# Altium PCB iMX6 Rex Development Baseboard V1I1_PCB.PcbDoc (part 3 of 6) (continued)
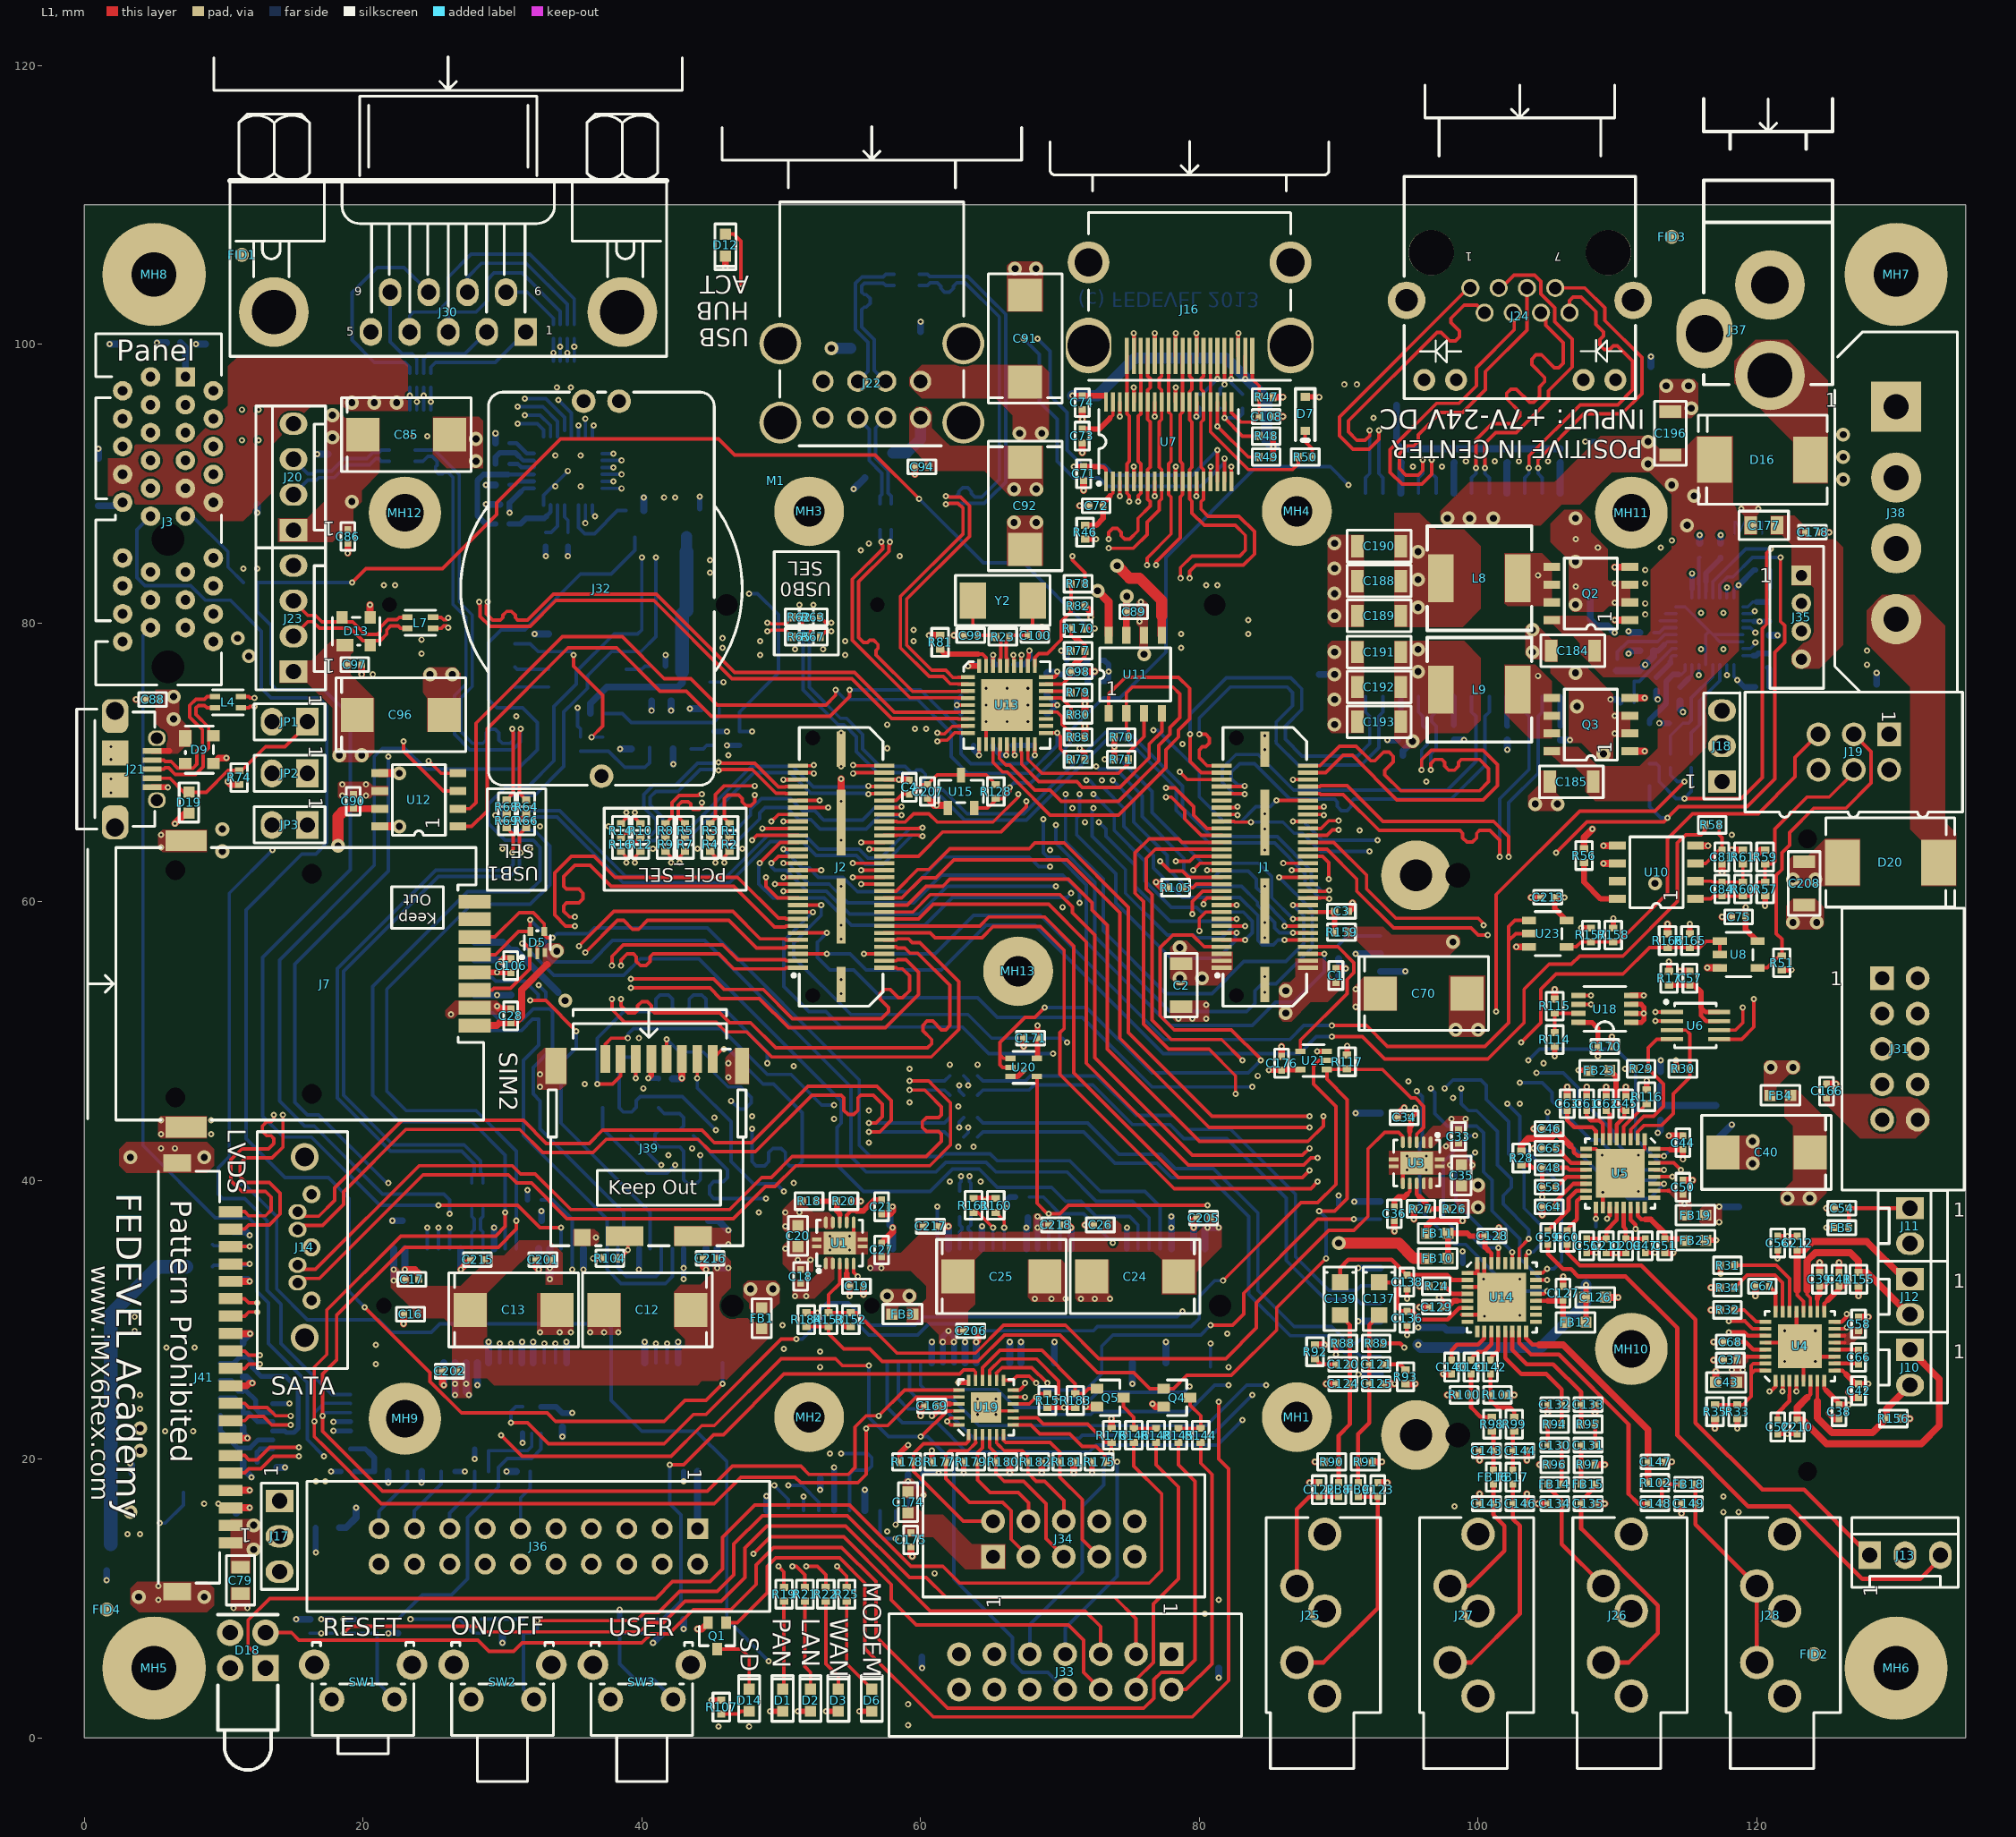
[diagram p0: L1 view]
## Nets (pads, with @x,y where several pads share a name; then routed paths per layer and width w, separated by ;. In a path a pad name is that pad's centre, name@x,y a point inside that pad or via, vN(x,y) a via of type N, cw(c..) or ccw(c..) an arc to the next point about the centre after c; other vN are vias at no path point) (continued)
  L6 w0.23: U22.8@114.2,81.15 114.85,81.15 U22.33@116.6,79.4 ; U22.29@116.35,77 116.35,79.15 U22.33@116.6,79.4 ; U22.22@119,78.65 117.35,78.65 U22.33@116.85,79.15 ; U22.21@119,79.15 U22.33@116.85,79.15 ; U22.33@116.6,79.4 U22.33@116.85,79.15
  L6 w0.25: v1(32.6,54) 33.1,53.5 D4.2@33.1,53.125 ; U16.24@32.95,88.45 32.95,89.15 v1(34.7,90.9)
  L6 w0.35: U2.6@13.5,23.975 v1(14.725,23.975) ; v1(17.875,22.025) U2.14@19.1,22.025 ; v1(17.875,22.675) U2.13@19.1,22.675
  L6 w0.4: v1(31.45,21.15) U24.3@31.45,21.85
  L6 w0.5: C6.2@1,91.8 v1(1,92.5) ; v1(1.6,11.3) C78.2@1.6,12 ; v1(1.8,100) C8.2@2.5,100 ; v1(3.298,19.7) 3.4,19.598 C80.2@3.4,19 ; v1(5.2,100.1) R6.2@5.9,100.1 ; v1(8,100) C9.2@8.7,100 ; R55.1@10.7,32.9 11.7,32.9 v1(11.85,32.75) ; R54.1@10.7,36.3 11.6,36.3 v1(11.85,36.05) ; C77.2@10.9,16.1 11.3,16.5 v1(11.85,16.5) ; C152.2@11.4,19.8 11.4,19.3 v1(12,18.7) ; C154.2@11.4,22.3 11.4,21.8 v1(11.7,21.5) ; C155.2@11.4,25.9 11.6,25.9 v1(12.05,25.45) ; C153.2@11.4,28.3 11.4,28.5 v1(11.9,29) ; v1(12.4,87.9) C10.2@12.4,88.5 ; C151.2@13.8,19.4 v1(14.4,19.4) ; v1(15.2,8.5) R168.1@16.2,8.5 ; v1(16.7,92.1) D8.3@17.5,92.1 ; v1(21.8,7.5) C198.2@22.5,7.5 ; v1(21.8,18.3) R186.1@21.8,19.1 ; v1(22.1,37.1) C204.2@22.8,37.1 ; v1(23,33.6) J4.50@23,35.1 ; v1(24.2,18.3) R122.1@24.2,19.1 ; v1(25.8,25.3) J4.43@25.8,26.9 ; v1(27,33.6) J4.40@27,35.1 ; J5.C5@28,55.82 29.78,55.82 v1(29.9,55.7) 30.1,55.5 C22.2@30.6,55.5 ; v1(28.2,25.3) J4.37@28.2,26.9 ; v1(28.8,88.5) C163.2@29.5,88.5 29.8,88.5 ; v1(28.8,89.9) C159.2@29.5,89.9 ; J4.35@29,26.9 v1(29,28.4) ; J4.34@29.4,35.1 v1(29.4,36.6) ; C161.2@29.5,92.9 v1(29.5,93.6) ; v1(29.6,52.5) 29.8,52.3 C23.2@30.6,52.3 ; v1(30,6.8) C199.2@30,7.5 ; v1(30.3,19.1) R121.1@31,19.1 ; J4.29@31.4,26.9 v1(31.4,28.4) ; J4.27@32.2,26.9 v1(32.2,28.4) ; v1(32.305,79.205) U17.4@33.3,79.205 ; v1(32.6,33.6) J4.26@32.6,35.1 ; C203.2@32.8,37.1 v1(32.8,37.8) ; v1(34.3,21.6) C214.2@34.3,22.3 ; J4.21@34.6,26.9 v1(34.6,28.4) ; v1(35.8,33.6) J4.18@35.8,35.1 ; v1(38.45,70.95) Q9.2@39.25,70.95 ; Q6.2@40.15,88.05 v1(40.15,89) ; J4.15@40.2,26.9 v1(40.2,28.4) ; v1(40.7,73.7) C167.2@40.7,74.4 ; v1(40.8,6.8) C200.2@41.5,7.5 ; v1(42.1,73.7) C168.2@42.1,74.4 ; C157.2@42.2,47.3 42.85,47.3 v1(42.875,47.325) ; v1(42.25,69.85) Q8.2@42.25,70.95 ; J4.9@42.6,26.9 v1(42.6,28.4) ; v1(43,7.8) C156.2@43,8.5 ; v1(43.45,73.85) Q7.2@44.25,73.85 ; v1(44.6,33.6) J4.4@44.6,35.1 ; C14.2@44.8,37.1 45.5,37.1 v1(46.2,36.4) ; J29.14@48.95,16.3 v1(48.95,17.35) ; v1(52.8,17.8) C158.2@52.8,18.6 ; v1(55.2,89.6) D11.3@56,90.4 ; J29.6@56,16.3 v1(56,17.8) ; J9.50@58,35.1 v1(58,36.6) 57.8,36.8 C29.2@57.8,37.3 57.8,37.9 v1(58,38.1) ; v1(59.1,18.4) R106.1@59.1,18.9 ; C93.2@60,100.9 v1(60,101.6) ; v1(60.1,5) J29.11@60.1,5.8 ; J9.43@60.8,26.9 v1(60.8,28.4) ; J9.40@62,35.1 v1(62,36.7) ; J9.37@63.2,26.9 v1(63.2,28.4) ; J9.35@64,26.9 v1(64,28.4) ; J9.34@64.4,35.1 v1(64.4,36.7) ; J9.29@66.4,26.9 v1(66.4,28.4) ; J9.27@67.2,26.9 v1(67.2,28.4) ; J9.26@67.6,35.1 v1(67.6,36.6) 67.7,36.7 C31.2@67.7,37.3 ; J9.21@69.6,26.9 v1(69.6,28.4) ; J9.18@70.8,35.1 v1(70.8,36.6) ; C95.2@72,75.8 72,76 v1(72.5,76.5) ; v1(75.2,25.4) J9.15@75.2,26.9 ; J9.9@77.6,26.9 v1@77.6,28.375 ; J9.4@79.6,35.1 v1(79.6,36.6) 79.8,36.8 C30.2@79.8,37.3 ; v1(79.8,94.8) 79.9,94.9 R162.2@79.9,95.4 ; v1(81.4,4.3) C173.2@81.4,5 ; TP10.1@88.6,76.3 v2(89.7,76.3) ; C69.2@90,54.5 90,54.7 v1(90.5,55.2) 90,55.7 R45.1@90,55.9 ; v1(91.115,38.475) J15.PC2@93,38.475 ; v1(91.215,44.825) J15.PC7@93,44.825 ; v1(91.215,56.255) J15.PC16@93,56.255 ; v1(91.4,29.9) 91.415,29.885 J15.S4@93,29.885 ; v1(91.4,33.7) 91.405,33.695 J15.S7@93,33.695 ; v1(91.425,26.075) J15.S1@93,26.075 ; J15.PC15@93,54.985 v1(94.785,54.985) ; v1(93.5,71.6) C118.1@94.2,71.6 ; C117.1@98.3,71.6 v1(99,71.6) ; v1(102.1,70.9) C116.1@102.1,71.6 ; C114.1@105.9,71.6 v1(106.6,71.6) ; v1(109.5,74.5) 110,74.5 R139.1@110.2,74.3 ; v1(110.8,77.8) 111,78 C182.2@111.6,78 ; v1(110.8,79.4) 110.9,79.3 C194.2@111.6,79.3 ; C115.2@112.4,98.4 v1(112.4,99.1) ; C195.2@112.8,75.1 112.8,74.6 v1(112.9,74.5) ; v1(112.9,43.4) 113.1,43.6 C49.2@113.1,44.3 ; R131.2@114.5,74.4 114.5,73.8 v1(114.7,73.6) ; R130.1@115.9,85.7 v1(115.9,86.3) ; Y1.2@117.05,42.83 v1@118.21,43.99 ; R132.1@117.4,85.7 v1(117.4,86.3) ; C181.2@120.9,79.1 v1(121.5,79.1) ; C83.2@128.6,75.6 v1(128.6,76.4)
  L6 w0.8: v2(53.6,99.7) D10.3@55,99.7
  other v1: 45.5,0.8 47.7,0.8 59.1,0.9 59.1,2.4 80.4,8.9 10.7,9.3 11.7,9.3 5.3,9.9 81.4,9.9 5.3,10.9 61,11.8 3.1,14.6 4,14.6 57.6,14.8 117.6,16.2 118.7,16.2 98.3,16.6 8.6,16.8 9.6,16.8 117.6,17.3 60.2,17.4 16.6,18.4 17.3,18.4 53.5,20.4 5.8,22 7.8,22 64.1,23.2 65.4,23.2 4,23.6 64.1,24.3 65.4,24.3 4,24.6 52.8,26.6 82.1,26.6 20.9,26.8 122,27 124.2,27 52.8,27.7 50.2,27.9 5.9,28 7.9,28 20.9,28.2 77.6,28.4 82,29 32.7,29.1 34.1,29.1 34.9,29.1 36.3,29.1 37.3,29.1 38.3,29.1 3.6,29.2 122,29.2 124.2,29.2 50.1,29.6 3.6,30.2 100.45,30.25 103,30.3 68.2,31.5 69.4,31.5 70.4,31.5 71.5,31.5 72.5,31.5 73.6,31.5 100.4,32.9 103,32.9 106.1,33.1 51.2,34.3 52.1,34.3 36.5,34.4 53.5,35 54.9,35 50.3,35.1 46.2,35.4 36.7,35.9 53.5,36 54.9,36 48.4,37.7 108.95,39.15 111.5,39.2 50.9,39.8 62.1,39.9 64.3,39.9 94.9,40.75 96.3,40.75 98,41.1 99.6,41.1 94.9,41.75 96.3,41.75 41.9,41.8 108.9,41.8 111.5,41.8 5.5,42.3 6.5,42.3 43.6,42.3 62.7,42.4 63.8,42.4 97.7,42.45 56.3,42.7 5.5,43.3 9.1,43.3 118.2,44 5.5,44.3 9.1,44.3 53.8,44.4 45.2,44.5 47.9,44.6 56.3,45 62.7,45.3 103,45.5 59.2,45.6 98.2,45.9 40.1,46.6 32.7,46.7 35.9,46.9 95,47.1 46.2,47.4 84.2,47.5 32.7,47.6 59.2,48 50.9,48.2 62.1,48.3 64.1,48.3 46.2,48.4 104.7,48.4 39.8,50.2 78.5,51.6 79.5,51.6 80.5,51.6 26.3,51.9 80.5,52.6 54.3,53.4 84.7,53.5 54.3,54.4 84.7,54.6 54.3,57.3 84.7,57.4 54.3,58.3 84.7,58.5 70.2,59.6 54.3,61.1 84.7,61.1 69.3,63.7 84.7,63.7 30,63.8 32,63.8 40.8,63.8 44,63.8 47.2,63.8 5.5,63.9 54.3,64.4 5.5,64.8 118.2,64.8 91.5,65.1 84.7,65.2 32.7,65.4 37.6,65.4 71.8,65.7 29.5,66.2 84.7,66.3 70.9,66.7 18.5,67.6 20.2,67.6 1.9,67.8 18.5,68.4 20.2,68.4 96.3,68.6 73,68.7 1.9,68.8 54.3,69.7 1.9,70.2 46.2,70.5 84.7,70.9 1.9,71.1 78.8,71.3 84.7,71.9 109.8,72.06 54.3,72.1 64.7,72.9 66.2,72.9 67.7,72.9 31,73.3 109.8,73.33 64.7,74.1 66.2,74.1 67.7,74.1 64.7,75.3 66.2,75.3 67.7,75.3 20.7,76.3 127.9,77 48.5,77.7 54.6,77.7 24.2,77.8 127.9,78 51,78.1 53,78.1 116,78.1 117.6,78.1 45.8,78.2 78.7,78.2 48.5,78.7 54.6,78.7 59.5,78.7 24.2,78.8 45.8,78.9 60.6,79.1 78.7,79.2 83.5,79.2 59.5,79.5 75.7,80.1 83.5,80.2 116,80.7 117.6,80.7 51.3,81.3 52.3,81.3 109.8,81.46 75.8,81.5 107,82.6 21.5,82.7 22.3,82.7 80.5,82.7 81.3,82.7 109.8,82.835 112,82.835 44.9,83.6 112,83.8 11.4,83.9 12.4,83.9 44.9,84.5 58.5,84.8 55.7,85.2 108.6,85.4 113.1,85.4 56.3,85.7 113.9,85.9 107,86 118.9,88.2 120.1,88.2 33.8,89.8 35.6,89.8 95.32,91.2 97.4,91.2 99.13,91.6 101.21,91.6 102.94,91.6 105.02,91.6 33.8,92 35.6,92 11.3,93.1 12.5,93.1 23.6,93.4 24.6,93.4 92.5,94.7 11.3,95.3 12.5,95.3 33.9,96.9 34.9,96.9 90.4,97.1 91.3,97.1
  other v2: 3.9,10.1 8.6,10.1 3.3,16.2 119.7,41.2 3.3,41.65 8.6,41.65 119.7,42.8 98.4,50.8 100,50.8 122.6,58.5 124.3,58.5 9.9,63.6 9.9,65.2 104.1,67 105.7,67 109,70.6 89.7,72.7 107.1,74 89.7,74.5 24.8,76.3 26.4,76.3 107,76.4 76.035,77.735 89.7,77.9 103.9,77.9 103.9,79.5 89.7,80.5 107,81.3 89.7,82.1 89.7,83.9 107,84.4 89.7,85.7 66.7,87.2 68.3,87.2 107,87.5 28.1,91.6 28.1,93.2 115.3,95.4 113.5,97 115.1,97 66.78,105.42 68.28,105.42
GPIO0: J34.2 R178.1 U19.1 | length 13.2
  L1 w0.24: 63.45,21.3 U19.1@63.45,21.75
  L1 w0.25: 63.45,21.3 63.25,21.1 60.2,21.1 59.5,20.4 R178.1@59.5,19.8 59.5,19.1 63.06,15.54 J34.2@65.2,15.54
GPIO1: J34.3 R177.1 U19.2 | length 14.3
  L1 w0.24: 63.95,21.2 U19.2@63.95,21.75
  L1 w0.25: 63.95,21.2 63.95,21.15 63.4,20.6 62.1,20.6 61.8,20.3 R177.1@61.8,19.8 61.8,18.6 63.5,16.9 65.9,16.9 66.5,16.3 66.5,14.24 J34.3@67.74,13
GPIO2: J34.4 R179.1 U19.3 | length 9
  L1 w0.24: 64.45,21.2 U19.3@64.45,21.75
  L1 w0.25: 64.45,21.2 64.45,20.8 64.1,20.45 R179.1@64.1,19.8 64.1,18.5 65,17.6 67,17.6 67.74,16.86 J34.4@67.74,15.54
GPIO3: J34.5 R180.2 U19.4 | length 11.8
  L1 w0.24: 64.95,21.2 U19.4@64.95,21.75
  L1 w0.25: 64.95,21.2 64.95,20.85 65.4,20.4 R180.2@65.4,19.8 65.4,19 66,18.4 67.4,18.4 69,16.8 69,14.28 J34.5@70.28,13
GPIO4: J34.6 R182.2 U19.5 | length 9.3
  L1 w0.24: U19.5@65.45,21.75 65.45,21.15 65.6,21
  L1 w0.25: 65.6,21 66,20.6 67.3,20.6 67.7,20.2 R182.2@67.7,19.8 67.7,19 68.3,18.4 68.9,18.4 70.28,17.02 J34.6@70.28,15.54
GPIO5: J34.7 R181.2 U19.6 | length 13.5
  L1 w0.24: U19.6@65.95,21.75 65.95,21.35 66.1,21.2 66.2,21.2
  L1 w0.25: 66.2,21.2 69.3,21.2 70,20.5 R181.2@70,19.8 70,18.7 71.6,17.1 71.6,14.22 J34.7@72.82,13
GPIO6: J33.7 R175.1 U19.7 | length 24.1
  L1 w0.24: U19.7@66.65,22.45 67.2,22.45
  L1 w0.25: 67.2,22.45 67.9,22.45 68.55,21.8 70.7,21.8 71.6,20.9 72.6,20.9 73.2,20.3 73.2,19.9 R175.1@73.3,19.8 v1(74.1,19.8)
  L6 w0.25: J33.7@70.38,6 70.38,7.88 74.1,11.6 v1(74.1,19.8)
GPIO7: J33.9 R176.2 U19.8 | length 25.4
  L1 w0.24: U19.8@66.65,22.95 67.2,22.95
  L1 w0.25: 67.2,22.95 68.35,22.95 68.8,22.5 72,22.5 73.3,21.2 R176.2@73.7,21.2 v1(73.7,20.5)
  L6 w0.25: J33.9@67.84,6 67.84,8.14 71.6,11.9 71.6,16.605 73.15,18.155 73.15,19.957 73.693,20.5 v1(73.7,20.5)
HDMI_CEC_CON: J16.13 R50.2 U7.23 | length 13.5
  L1 w0.25: J16.13@80.8,99.14 U7.23@80.8,95.85 80.8,93.7 83.5,91 86.7,91 87.1,91.4 R50.2@87.1,91.9
HDMI_CEC_IN: J1.44 U7.16 | length 48.8
  L1 w0.25: U7.16@80.8,90.15 v1(80.8,91.2) ; v1(86.73,65.75) J1.44@87.79,65.75
  L3 w0.2: v1(80.8,91.2) 81.3,90.7 83.8,90.7 84.4,91.3 87.7,91.3 91.4,87.6 91.4,82.6 94.65,79.35 94.65,75.85 97.3,73.2 97.3,68.9 v1(92.8,64.4)
  L6 w0.25: v1(86.73,65.75) 87.45,65.75 88.8,64.4 v1(92.8,64.4)
HDMI_CLK_N: J1.45 J16.12 U7.15 U7.24 | length 48
  L1 w0.25: v1(79.3,83.2) 79.3,83.7 79.75,84.15 83.169,84.15 83.95,84.931 83.95,86.55 82.85,87.65 80.625,87.65 80.125,88.15 80.125,88.7 80.3,88.875 U7.15@80.3,90.15 80.3,90.999 80.125,91.174 80.125,94.4 80.3,94.575 80.3,94.8 U7.24@80.3,95.85 80.3,96.579 80.125,96.754 80.125,97.524 80.3,97.699 J16.12@80.3,99.14 ; J1.45@81.61,66.25 82.7,66.25 v1(82.75,66.2)
  L3 w0.2: v1(79.3,83.2) 79.325,83.175 79.325,80.275 80.15,79.45 82.44,79.45 86.3,75.59 86.3,70.51 85.49,69.7 85,69.7 84.7,69.4 84.7,66.972 83.928,66.2 v1(82.75,66.2)
HDMI_CLK_P: J1.47 J16.10 U7.13 U7.26 | length 48
  L1 w0.25: v1(78.65,83.2) 78.65,83.969 79.481,84.8 82.9,84.8 83.3,85.2 83.3,86.281 82.581,87 80.356,87 79.475,87.881 79.475,88.718 79.3,88.893 U7.13@79.3,90.15 79.3,90.999 79.475,91.174 79.475,94.4 79.3,94.575 U7.26@79.3,95.85 ; J16.10@79.3,99.14 79.3,97.699 79.475,97.524 79.475,96.754 79.3,96.579 U7.26@79.3,95.85 ; J1.47@81.61,66.75 82.7,66.75 v1(82.75,66.8)
  L3 w0.2: v1(78.65,83.2) 78.625,83.175 78.625,79.985 79.86,78.75 82.15,78.75 85.6,75.3 85.6,73.6 85.4,73.4 85.05,73.4 84.75,73.1 84.75,72.7 85.05,72.4 85.4,72.4 85.6,72.2 85.6,70.8 85.2,70.4 84.71,70.4 84,69.69 84,67.262 83.638,66.9 82.85,66.9 v1(82.75,66.8)
HDMI_D0_N: J1.39 J16.9 U7.12 U7.27 | length 47.9
  L1 w0.25: v1(76.894,84.144) 76.894,84.375 78.625,86.106 78.625,89.025 78.8,89.2 U7.12@78.8,90.15 78.8,91.407 78.625,91.582 78.625,94.946 78.8,95.121 U7.27@78.8,95.85 J16.9@78.8,99.14 ; v1(77.6,67.5) 77.981,67.5 78.95,66.531 78.95,65.931 80.131,64.75 J1.39@81.61,64.75
  L3 w0.2: v1(76.894,84.144) 76.919,84.119 76.919,82.771 77.119,82.571 77.119,80.9 76.9,80.681 76.9,79.19 78.89,77.2 81.1,77.2 83.105,75.195 83.105,73.815 82.39,73.1 81.8,73.1 81.2,72.5 81.2,71.19 82.3,70.09 82.3,68.31 81.49,67.5 v1(77.6,67.5)
HDMI_D0_P: J1.41 J16.7 U7.10 U7.29 | length 47.9
  L1 w0.25: v1(76.244,84.144) 76.244,84.644 77.975,86.375 77.975,89.025 77.8,89.2 U7.10@77.8,90.15 77.8,91.407 77.975,91.582 77.975,94.946 77.8,95.121 U7.29@77.8,95.85 J16.7@77.8,99.14 ; v1(77.6,68.15) 78.25,68.15 79.6,66.8 79.6,66.2 80.55,65.25 J1.41@81.61,65.25
  L3 w0.2: v1(76.244,84.144) 76.219,84.119 76.219,82.481 76.419,82.281 76.419,81.19 76.2,80.971 76.2,78.9 78.6,76.5 80.81,76.5 82.405,74.905 82.405,74.105 82.1,73.8 81.51,73.8 80.5,72.79 80.5,70.9 81.6,69.8 81.6,68.6 81.2,68.2 80.825,68.2 80.625,68.4 80.625,68.725 80.325,69.025 79.925,69.025 79.625,68.725 79.625,68.4 79.425,68.2 77.65,68.2 v1(77.6,68.15)
HDMI_D1_N: J1.46 J16.6 U7.9 U7.30 | length 47.9
  L1 w0.25: v1(73.5,85.35) 75.269,85.35 76.25,86.331 76.25,87.231 77.125,88.106 77.125,88.718 77.3,88.893 U7.9@77.3,90.15 77.3,90.999 77.125,91.174 77.125,94.418 77.3,94.593 U7.30@77.3,95.85 77.3,96.699 77.125,96.874 77.125,97.524 77.3,97.699 J16.6@77.3,99.14 ; J1.46@87.79,66.25 88.88,66.25 v1(88.93,66.2)
  L3 w0.2: v1(73.5,85.35) 73.525,85.325 74.435,85.325 75.11,84.65 80.35,84.65 86.125,78.875 86.125,78.385 88,76.51 88,69.79 87.5,69.29 87.5,66.81 88.16,66.15 88.88,66.15 v1(88.93,66.2)
HDMI_D1_P: J1.48 J16.4 U7.7 U7.32 | length 47.9
  L1 w0.25: v1(73.5,86) 73.5,86.5 73.775,86.775 74.125,86.775 74.4,86.5 74.4,86.25 74.65,86 75,86 75.6,86.6 75.6,87.5 76.475,88.375 76.475,88.7 76.3,88.875 U7.7@76.3,90.15 76.3,90.999 76.475,91.174 76.475,94.418 76.3,94.593 U7.32@76.3,95.85 76.3,96.699 76.475,96.874 76.475,97.524 76.3,97.699 J16.4@76.3,99.14 ; J1.48@87.79,66.75 88.88,66.75 v1(88.93,66.8)
  L3 w0.2: v1(73.5,86) 73.525,86.025 74.725,86.025 75.4,85.35 80.64,85.35 86.825,79.165 86.825,78.675 88.7,76.8 88.7,69.5 88.2,69 88.2,67.1 88.45,66.85 88.88,66.85 v1(88.93,66.8)
HDMI_D2_N: J1.40 J16.3 U7.6 U7.33 | length 48
  L1 w0.25: v1(75.625,88.7) 75.625,89.125 75.8,89.3 U7.6@75.8,90.15 75.8,91.407 75.625,91.582 75.625,94.824 75.8,94.999 U7.33@75.8,95.85 J16.3@75.8,99.14 ; J1.40@87.79,64.75 89.15,64.75 89.55,65.15 v1(90,65.15)
  L3 w0.2: v1(75.625,88.7) 75.65,88.675 75.65,88.025 75.975,87.7 81.89,87.7 88.8,80.79 88.8,80.29 89.59,79.5 90.2,79.5 91.4,78.3 91.4,65.802 90.748,65.15 v1(90,65.15)
HDMI_D2_P: J1.42 J16.1 U7.4 U7.35 | length 47.9
  L1 w0.25: J16.1@74.8,99.14 U7.35@74.8,95.85 74.8,94.999 74.975,94.824 74.975,91.582 74.8,91.407 U7.4@74.8,90.15 74.8,89.3 74.975,89.125 v1(74.975,88.7) ; J1.42@87.79,65.25 88.731,65.25 89.281,65.8 v1(90,65.8)
  L3 w0.2: v1(74.975,88.7) 74.95,88.675 74.95,87.735 75.685,87 81.6,87 88.1,80.5 88.1,80 89.3,78.8 89.91,78.8 90.7,78.01 90.7,68.8 90.5,68.6 90.175,68.6 89.875,68.3 89.875,67.9 90.175,67.6 90.5,67.6 90.7,67.4 90.7,66.1 90.45,65.85 90.05,65.85 v1(90,65.8)
HDMI_HPD: J1.43 U7.19 | length 54.1
  L1 w0.25: J1.43@81.61,65.75 82.493,65.75 82.543,65.7 v1@83.8,65.7 ; U7.19@82.3,90.15 v1(82.3,91.2)
  L3 w0.2: v1(82.3,91.2) 83.1,92 87.8,92 92.4,87.4 92.4,82.9 98.1,77.2 98.1,68.5 93.2,63.6 v1(92.2,63.6)
  L6 w0.25: v1@83.8,65.7 86,65.7 86.8,64.9 87.4,64.9 88.7,63.6 v1(92.2,63.6)
  other v1: 83.7,65.7
HDMI_HPD_CON: C108.1 J16.19 R47.2 U7.20 | length 7.7
  L1 w0.25: U7.20@82.3,95.85 82.3,95.1 83,94.4 83.9,94.4 C108.1@84.3,94.8 ; J16.19@83.8,99.14 83.8,97.5 84.3,97 R47.2@84.3,96.2 C108.1@84.3,94.9
HDMI_SCL_CON: J16.15 R163.1 | length 2.9
  L1 w0.25: v1(81.8,97.1) J16.15@81.8,99.14
  L6 w0.25: R163.1@81.5,96.4 81.5,96.8 v1(81.8,97.1)
HDMI_SCL_CON_R: R49.1 R163.2 U7.22 | length 7
  L1 w0.25: U7.22@81.3,95.85 v1(81.3,94.1) 83.5,91.9 R49.1@84.3,91.9
  L6 w0.25: v1(81.3,94.1) 81.3,95.2 R163.2@81.5,95.4
HDMI_SDA_CON: J16.16 R164.1 | length 3.1
  L1 w0.25: v1(82.3,97.5) J16.16@82.3,99.14
  L6 w0.25: v1(82.3,97.5) 82.3,97.2 R164.1@83.1,96.4
HDMI_SDA_CON_R: R48.1 R164.2 U7.21 | length 6
  L1 w0.25: U7.21@81.8,95.85 81.8,94.7 83.1,93.4 R48.1@84.3,93.4
  L6 w0.25: v1(81.8,94.7) 82.8,94.7 83.1,95 R164.2@83.1,95.4
HP_AMP_OUTL: R89.1 U4.16 | length 45
  L1 w0.28: U4.16@125.575,29.85 126.1,29.85 126.45,30.2 v1@126.45,30.3
  L1 w0.3: R89.1@93.2,28.3 94.4,28.3 v1(94.7,28)
  L3 w0.3: v1(94.7,28) 95.9,26.8 99.6,26.8 106,20.4 121.9,20.4 123.6,22.1 123.6,24 125.4,25.8 125.4,29.35 v1(126.45,30.4)
HP_AMP_OUTR: R88.1 U4.15 | length 49.5
  L1 w0.28: U4.15@125.575,29.35 126.35,29.35 v1(126.45,29.45)
  L1 w0.3: v1(89.8,27.5) R88.1@89.8,28.3
  L3 w0.3: v1(89.8,27.5) 92,27.5 93.4,26.1 95.7,26.1 96.4,25.4 99.6,25.4 105.925,19.075 121.711,19.075 124.5,21.864 124.5,23.7 126.45,25.65 v1(126.45,29.45)
HP_INL: C136.2 U4.27 | length 33.5
  L1 w0.28: v1(118,29.1) 119.1,29.1 119.35,28.85 U4.27@120.625,28.85
  L1 w0.3: v1(94.9,28.9) C136.2@94.9,29.6
  L3 w0.3: v1(94.9,28.9) 96.6,28.9 97,28.5 99.3,28.5 100.8,27 103.958,27 108.358,22.6 113,22.6 116,25.6 116,28.4 116.7,29.1 v1(118,29.1)
HP_INR: C138.2 U4.26 | length 34
  L1 w0.28: v1(118,29.9) 119.15,29.9 119.7,29.35 U4.26@120.625,29.35
  L1 w0.3: v1(94.9,31.5) C138.2@94.9,32.2
  L3 w0.3: v1(94.9,31.5) 94.9,30.8 95.7,30 99.2,30 101,28.2 104.9,28.2 109.2,23.9 112.5,23.9 114.9,26.3 114.9,28.6 116.2,29.9 v1(118,29.9)
HP_OUT_L: C121.1 C125.1 C137.2 FB9.1 R89.2 R91.2 | length 12.6
  L1 w0.3: FB9.1@91.4,18.3 91.4,21.8 92.2,22.6 R89.2@92.2,28.3 92.2,29.625 C137.2@92.9,30.325
HP_OUT_R: C120.1 C124.1 C139.2 FB8.1 R88.2 R90.2 | length 12.6
  L1 w0.3: FB8.1@90,18.3 R90.2@90,19.8 90,21.7 90.8,22.5 C120.1@90.8,26.8 90.8,29.625 C139.2@90.1,30.325
HUB_LED: D12.2 R78.1 | length 41.5
  L1 w0.25: D12.2@46,107.9 46.6,107.9 47.1,107.4 v1(47.1,104) ; v1(70.9,84.8) 70.9,84.5 71.8,83.6 R78.1@71.8,82.8
  L3 w0.2: v1(47.1,104) 48.3,102.8 57.5,102.8 66,94.3 66,92.5 67.5,91 67.5,89.3 70,86.8 70,85.7 v1(70.9,84.8)
I2C1_SCL: J2.14 U14.29 | length 71.2
  L1 w0.25: J2.14@57.39,58.25 64.25,58.25 64.9,58.9 68.9,58.9 71,56.8 71,47.7 78.5,40.2 87.4,40.2 v1(87.9,40.7) ; U14.29@101.45,34.05 v1(101.45,35.15)
  L3 w0.2: v1(87.9,40.7) 91,40.7 92,39.7 96.4,39.7 97.2,40.5 97.2,41.007 99.393,43.2 v1(99.8,43.2)
  L6 w0.25: v1(99.8,43.2) 99.393,43.2 97.5,41.307 97.5,37.3 98.6,36.2 99.3,36.2 100.35,35.15 v1(101.45,35.15)
I2C1_SDA: J2.12 U14.27 | length 69.6
  L1 w0.25: J2.12@57.39,57.75 60.7,57.75 61.05,57.4 64.4,57.4 65.2,58.2 68.6,58.2 70.3,56.5 70.3,50.9 70,50.6 70,47.6 78.2,39.4 88,39.4 v1(88.5,39.9) ; U14.27@102.45,34.05 v1(102.45,34.85)
  L3 w0.2: v1(88.5,39.9) 88.9,39.5 91,39.5 92.7,37.8 95.593,37.8 99.793,42 v1(99.8,42)
  L6 w0.25: v1(99.8,42) 99.793,42 98.4,40.607 98.4,38.4 100.9,35.9 101.407,35.9 102.45,34.857 v1(102.45,34.85)
I2C2_SCL: J1.36 J3.B5 J4.30 J9.30 R160.1 U2.12 U6.6 U7.17 U17.6 U18.6 U19.19 | length 424
  L1 w0.24: 62.2,24.95 U19.19@62.75,24.95
  L1 w0.25: v1(31,37.1) 31,36.5 29.7,35.2 23,35.2 18.1,30.3 18.1,27.1 17.1,26.1 v1(17.1,23.1) 17.1,22 21.4,17.7 44.7,17.7 46.5,19.5 51.4,19.5 52,18.9 54.8,18.9 55.3,19.4 55.3,22.3 56.1,23.1 v1(57,23.1) 58.85,24.95 62.2,24.95 ; R160.1@65.4,37.7 66,37.1 v1(66,36.6) ; U7.17@81.3,90.15 v1(81.3,92.4) ; J1.36@87.79,63.75 89.15,63.75 91.3,61.6 91.3,60.734 93.934,58.1 99.5,58.1 100,57.6 v1(100.7,57.6) ; U18.6@107.2,52.625 v1(108.1,52.625) ; U6.6@117.3,50.775 118.475,50.775 119,51.3 v1(119,52.4)
  L3 w0.2: v1(41,84.7) 41,85.2 40.4,85.8 35.9,85.8 31.1,90.6 26.3,90.6 24.8,92.1 21.8,92.1 18.2,95.7 14,95.7 12.6,94.3 11.1,94.3 10.425,93.625 8.725,93.625 7.725,92.625 5.875,92.625 4.85,93.65 J3.B5@4.75,93.65 3.775,94.625 3.775,98.275 4.4,98.9 6.166,98.9 13.666,106.4 59.6,106.4 66.3,99.7 67.7,99.7 v1(68.4,100.4) ; v1(57,23.1) 57,23.9 57.866,24.766 57.866,28.466 60.6,31.2 61,31.2 66,36.2 v1(66,36.6) ; v1(81.3,92.4) 82.9,94 87.7,94 88.934,92.766 91.234,92.766 103.1,80.9 103.1,72.593 107.7,67.993 107.7,63.328 112.128,58.9 116.793,58.9 117.293,58.4 117.3,58.4 121,54.7 121,52.9 120.5,52.4 v1(119,52.4) 118.4,52.4 118.175,52.625 v1(108.1,52.625) 107.575,52.625 106.5,53.7 106.5,54.8 103.7,57.6 v1(100.7,57.6)
  L6 w0.25: v1(17.1,23.1) 17.325,23.325 U2.12@19.1,23.325 ; J4.30@31,35.1 31,42.1 28.1,45 23.1,45 21.7,46.4 21.7,53.7 27.8,59.8 32,59.8 33.4,61.2 33.4,63.993 32.293,65.1 30.6,65.1 30,65.7 30,67 30.6,67.6 32.3,67.6 34.4,69.7 34.4,73.607 35.193,74.4 35.2,74.4 36.1,75.3 36.1,76.2 37.835,77.935 U17.6@38.9,77.935 39.935,77.935 41,79 v1@41,84.5 ; J9.30@66,35.1 v1(66,36.6) ; v1(68.4,100.4) 69.3,99.5 69.3,96.3 70.5,95.1 70.5,92.407 71.607,91.3 73.2,91.3 73.9,90.6 79.493,90.6 81.293,92.4 v1(81.3,92.4)
I2C2_SDA: J1.38 J3.B6 J4.32 J9.32 R161.1 U2.11 U6.5 U7.18 U17.5 U18.5 U19.20 | length 432.9
  L1 w0.24: 62.2,24.45 U19.20@62.75,24.45
  L1 w0.25: v1(30.2,37.7) 30.2,36.693 29.507,36 22.7,36 17.4,30.7 17.4,27.5 16.5,26.6 v1(16.5,22.7) 16.5,21.6 16.95,21.15 16.957,21.15 21.307,16.8 45.2,16.8 47.1,18.7 51,18.7 51.4,18.3 55.5,18.3 56.1,18.9 v1(56.1,22.2) ; 56.3,22.4 57.65,22.4 59.7,24.45 62.2,24.45 ; R161.1@63.8,37.7 64.107,37.7 65.2,36.607 v1(65.2,36.6) ; U7.18@81.8,90.15 v1(81.8,91.8) ; J1.38@87.79,64.25 89.65,64.25 92,61.9 92,60.9 94.1,58.8 100,58.8 v1@100.5,58.3 ; U18.5@107.2,53.275 v1(108.1,53.275) ; U6.5@117.3,50.125 118.925,50.125 119.8,51 v1(119.8,53)
  L3 w0.2: v1(40,84.7) 39.6,85.1 35.4,85.1 31.1,89.4 26.2,89.4 24.5,91.1 21.3,91.1 18.3,94.1 17.3,94.1 16.2,93 13.6,93 13,92.4 11.2,92.4 10.475,91.675 8.775,91.675 7.775,90.675 4.125,90.675 3.7,91.1 3.7,91.7 J3.B6@2.75,92.65 1.5,93.9 1.5,97.3 3.8,99.6 5.5,99.6 13.2,107.3 60.4,107.3 67.3,100.4 v1(67.4,100.4) ; v1(56.1,22.2) 56.1,24.3 56.9,25.1 56.9,28.3 v1(65.2,36.6) ; v1@81.8,91.7 v1@81.85,91.75 ; v1(81.8,91.8) 81.9,91.8 83.3,93.2 87.6,93.2 88.7,92.1 90.9,92.1 102.2,80.8 102.2,72.307 106.9,67.607 106.9,62.9 111.9,57.9 116.607,57.9 120.3,54.207 120.3,53.4 119.9,53 v1(119.8,53) 118.966,53 118.191,53.775 109.275,53.775 108.775,53.275 v1(108.1,53.275) 108.025,53.275 107.2,54.1 107.2,55.2 104.1,58.3 v1(100.4,58.3)
  L6 w0.25: v1(16.5,22.7) 16.5,23.307 17.093,23.9 17.1,23.9 17.2,24 19.075,24 U2.11@19.1,23.975 ; J4.32@30.2,35.1 v1(30.2,37.7) 30.2,41.8 27.8,44.2 22.6,44.2 20.7,46.1 20.7,53.9 27.5,60.7 31.9,60.7 32.7,61.5 32.7,63.9 32.2,64.4 30.2,64.4 29,65.6 29,67 30.3,68.3 31.9,68.3 33.7,70.1 33.7,74 35.3,75.6 35.3,76.5 38.005,79.205 U17.5@38.9,79.205 39.705,79.205 40,79.5 v1@40,84.5 ; J9.32@65.2,35.1 v1(65.2,36.6) ; v1(67.4,100.4) 68.525,99.275 68.525,95.875 69.8,94.6 69.8,91.6 71,90.4 72.8,90.4 73.4,89.8 80.107,89.8 81.8,91.493 v1@81.8,91.7
I2C2_VREF2: C57.1 R17.1 U6.7 U6.8 | length 7.1
  L1 w0.3: U6.7@117.3,51.425 116.375,51.425 116,51.8 116,52.4 116.325,52.075 U6.8@117.3,52.075
  L1 w0.4: R17.1@113.7,54 C57.1@115.2,54 115.5,54 116,53.5 116,52.4
I2C3_SCL: J2.19 J34.10 | length 104.6
  L1 w0.25: J2.19@51.21,59.75 v1(52.87,59.75)
  L3 w0.2: v1(70.5,49.9) 70.6,49.8 70.6,44.007 65.4,38.807 65.4,38.407 59.593,32.6 59,32.6 58.375,31.975 58.375,31.175 54.4,27.2 51.8,27.2 48.45,23.85 48.45,17.143 50.293,15.3 54.4,15.3 56.7,13 58.6,13 59.3,13.7 61.4,13.7 62.2,14.5 62.2,16 64,17.8 71.7,17.8 72.5,17 73.9,17 J34.10@75.36,15.54
  L6 w0.25: v1(52.87,59.75) 52.87,59 50.9,57.03 50.9,56 55,51.9 63.4,51.9 65.1,50.2 70.2,50.2 v1(70.5,49.9)
I2C3_SDA: J2.17 J34.8 | length 104.3
  L1 w0.25: J2.17@51.21,59.25 v1(52.27,59.25)
  L3 w0.2: v1(69.5,49.1) 70,48.6 70,44.4 64.8,39.2 64.393,39.2 63.6,38.407 63.6,37.466 61.734,35.6 61,35.6 58.1,32.7 56.018,32.7 55.4,32.082 55.4,29.5 54.15,28.25 51.743,28.25 47.7,24.207 47.7,16.7 49.8,14.6 53.9,14.6 56.4,12.1 59.6,12.1 60.35,12.85 62.05,12.85 63.2,14 63.2,15.6 64.6,17 71.36,17 J34.8@72.82,15.54
  L6 w0.25: v1(52.27,59.25) 50.2,57.18 50.2,53.9 52,52.1 53.2,52.1 54.3,51 63,51 64.9,49.1 v1(69.5,49.1)
JTAG_DACK: J36.19 R122.2 | length 5
  L6 w0.25: J36.19@21.14,15 21.14,16.24 23.2,18.3 R122.2@23.2,19.1
JTAG_DE: J36.17 R118.1 | length 4.9
  L6 w0.25: J36.17@23.68,15 23.68,16.28 25.6,18.2 R118.1@25.6,19.1
JTAG_NSRST: J36.15 R120.2 | length 4.8
  L6 w0.25: J36.15@26.22,15 26.22,16.12 28,17.9 R120.2@28,19.1
JTAG_NTRST: J2.41 J36.3 | length 78.4
  L1 w0.25: v1(48.65,65.25) J2.41@51.21,65.25
  L3 w0.2: J36.3@41.46,15 44.2,17.74 44.2,23 44.9,23.7 44.9,25.207 45.593,25.9 46.2,25.9 49.4,29.1 49.4,29.7 50.3,30.6 50.3,31.707 51.293,32.7 52.9,32.7 54.3,34.1 54.3,35.107 54.693,35.5 55.7,35.5 56.2,36 58.107,36 61.2,39.093 61.2,48.6 59.2,50.6 59.2,57.5 60.3,58.6 60.3,63.2 59.6,63.9 59.6,64.4 56.8,67.2 55,67.2 54.8,67.4 54.8,67.407 54.457,67.75 50.55,67.75 48.65,65.85 v1(48.65,65.25)
JTAG_RSTN: R120.1 R187.1 U24.2 | length 5.7
  L6 w0.25: R120.1@29,19.1 29,20.6 31.8,20.6 32.1,20.9 U24.2@32.1,21.85
JTAG_RTCK: J36.11 R121.2 | length 4.4
  L6 w0.25: J36.11@31.3,15 31.3,17.2 32,17.9 R121.2@32,19.1
JTAG_TCK: J2.43 J36.9 | length 77.9
  L1 w0.25: v1(50.15,65.75) J2.43@51.21,65.75
  L3 w0.2: J36.9@33.84,15 33.84,17.04 38.7,21.9 40.1,21.9 40.8,22.6 40.8,24.307 44.4,27.907 44.4,32.1 45.4,33.1 46.4,33.1 47.1,33.8 48.2,33.8 48.5,34.1 48.5,34.7 48.2,35 47.1,35 46.8,35.3 46.8,35.9 47.1,36.2 51.8,36.2 54.7,39.1 56.5,39.1 58.1,40.7 58.1,48.5 57.1,49.5 57.1,58.05 58,58.95 58,63.918 56.418,65.5 52.7,65.5 51.8,66.4 50.8,66.4 v1(50.15,65.75)
JTAG_TDI: J2.47 J36.5 | length 77.9
  L1 w0.25: J2.47@51.21,66.75 v1@53.27,66.75
  L3 w0.2: J36.5@38.92,15 39.7,15.78 39.7,19.6 40,19.9 40.6,19.9 40.9,19.6 40.9,17.4 41.2,17.1 41.8,17.1 42.1,17.4 42.1,18.4 42.9,19.2 42.9,23 44.3,24.4 44.3,25.5 46.55,27.75 46.55,28.75 48.6,30.8 48.6,32.5 49.6,33.5 52.057,33.5 52.7,34.143 52.7,35 53.2,35.5 53.707,35.5 54.2,35.993 54.2,36.2 55.1,37.1 57.8,37.1 60.3,39.6 60.3,48.5 58.5,50.3 58.5,57.6 59.53,58.63 59.53,62.516 59.046,63 59.046,64.254 56.6,66.7 53.42,66.7 v1(53.37,66.75)
JTAG_TDO: J2.45 J36.13 | length 77.8
  L1 w0.25: v1(49.3,65.75) 49.8,66.25 J2.45@51.21,66.25
  L3 w0.2: J36.13@28.76,15 30.36,16.6 31.7,16.6 38.35,23.25 38.35,24.05 41.9,27.6 42.7,27.6 43.5,28.4 43.5,33.7 45,35.2 45,36.7 45.5,37.2 51.7,37.2 54.3,39.8 55.8,39.8 56.8,40.8 56.8,48.3 56.43,48.67 56.43,58.38 57.22,59.17 57.22,62.5 57.384,62.664 57.384,63.969 56.453,64.9 50.15,64.9 v1(49.3,65.75)
JTAG_TMS: J2.49 J36.7 | length 77.9
  L1 w0.25: J2.49@51.21,67.25 v1(52.77,67.25)
  L3 w0.2: J36.7@36.38,15 36.38,17.98 36.68,18.28 37.28,18.28 37.58,17.98 37.58,16.62 37.88,16.32 38.48,16.32 38.78,16.62 38.78,20.08 39.6,20.9 41.3,20.9 41.85,21.45 41.85,23.15 43.5,24.8 43.5,25.7 45.2,27.4 45.2,31.7 45.9,32.4 46.8,32.4 47.5,33.1 48.5,33.1 49.6,34.2 50.2,34.2 51.636,35.636 52.3,35.636 53.164,36.5 53.6,36.5 54.986,37.886 56.9,37.886 59.7,40.686 59.7,48.3 57.8,50.2 57.8,57.9 58.76,58.86 58.76,62.432 58.492,62.7 58.492,64.108 56.4,66.2 53.2,66.2 52.77,66.63 v1(52.77,67.25)
JTAG_VREF: J36.1 R119.1 | length 4.1
  L6 w0.5: J36.1@44,15 R119.1@44,19.1
LED_MPCIE1_WLAN: J4.44 R21.1 | length 72.7
  L1 w0.25: v1(50.8,12.3) 51.093,12.3 51.7,11.693 R21.1@51.7,10.8
  L3 w0.2: v1(25.4,36.6) 25.4,32.4 24.6,31.6 24.6,29.4 27.6,26.4 28.8,26.4 29.6,25.6 29.6,23.5 28.1,22 28.1,20.927 24.973,17.8 21.7,17.8 19.6,15.7 19.6,11.6 20.25,10.95 22.15,10.95 23.1,10 24.3,10 25,9.3 27.6,9.3 28,8.9 33,8.9 33.3,8.6 41.1,8.6 41.5,9 49.3,9 50.8,10.5 v1(50.8,12.3)
  L6 w0.25: J4.44@25.4,35.1 v1(25.4,36.6)
LED_MPCIE1_WPAN: J4.46 R22.1 | length 77.1
  L1 w0.25: v1(51.8,12.3) 52.6,12.3 53.2,11.7 R22.1@53.2,10.8
  L3 w0.2: v1(24.6,36.6) 24.6,32.9 23.8,32.1 23.8,29 26.9,25.9 28.307,25.9 28.9,25.307 28.9,23.9 27.2,22.2 27.2,21 25,18.8 21,18.8 18.5,16.3 18.5,11.5 19.9,10.1 21.8,10.1 22.6,9.3 23.7,9.3 24.5,8.5 27.5,8.5 28.1,7.9 41.5,7.9 41.9,8.3 50.2,8.3 51.8,9.9 v1(51.8,12.3)
  L6 w0.25: J4.46@24.6,35.1 v1(24.6,36.6)
LED_MPCIE1_WWAN: J4.42 R19.1 | length 65.4
  L1 w0.25: v1(49.8,12.3) 50.2,11.9 R19.1@50.2,10.8
  L3 w0.2: v1(26.2,36.6) 26.1,36.5 26.1,28.9 28,27 29.1,27 30.4,25.7 30.4,23.2 29.1,21.9 29.1,20.193 27.307,18.4 26.6,18.4 25.3,17.1 23.3,17.1 22.4,16.2 22.4,11.9 23.3,11 24.6,11 25.5,10.1 27.7,10.1 28.1,9.7 48.5,9.7 49.8,11 v1(49.8,12.3)
  L6 w0.25: J4.42@26.2,35.1 v1(26.2,36.6)